# KiCad board VCU_CM5.kicad_pcb
title: VCU_CM5; date: 2026-02-28; rev: 1.3; company: NTURacing Team; note: Jack Kuo, Jerrymk, ML Tsou; note: Electrical group
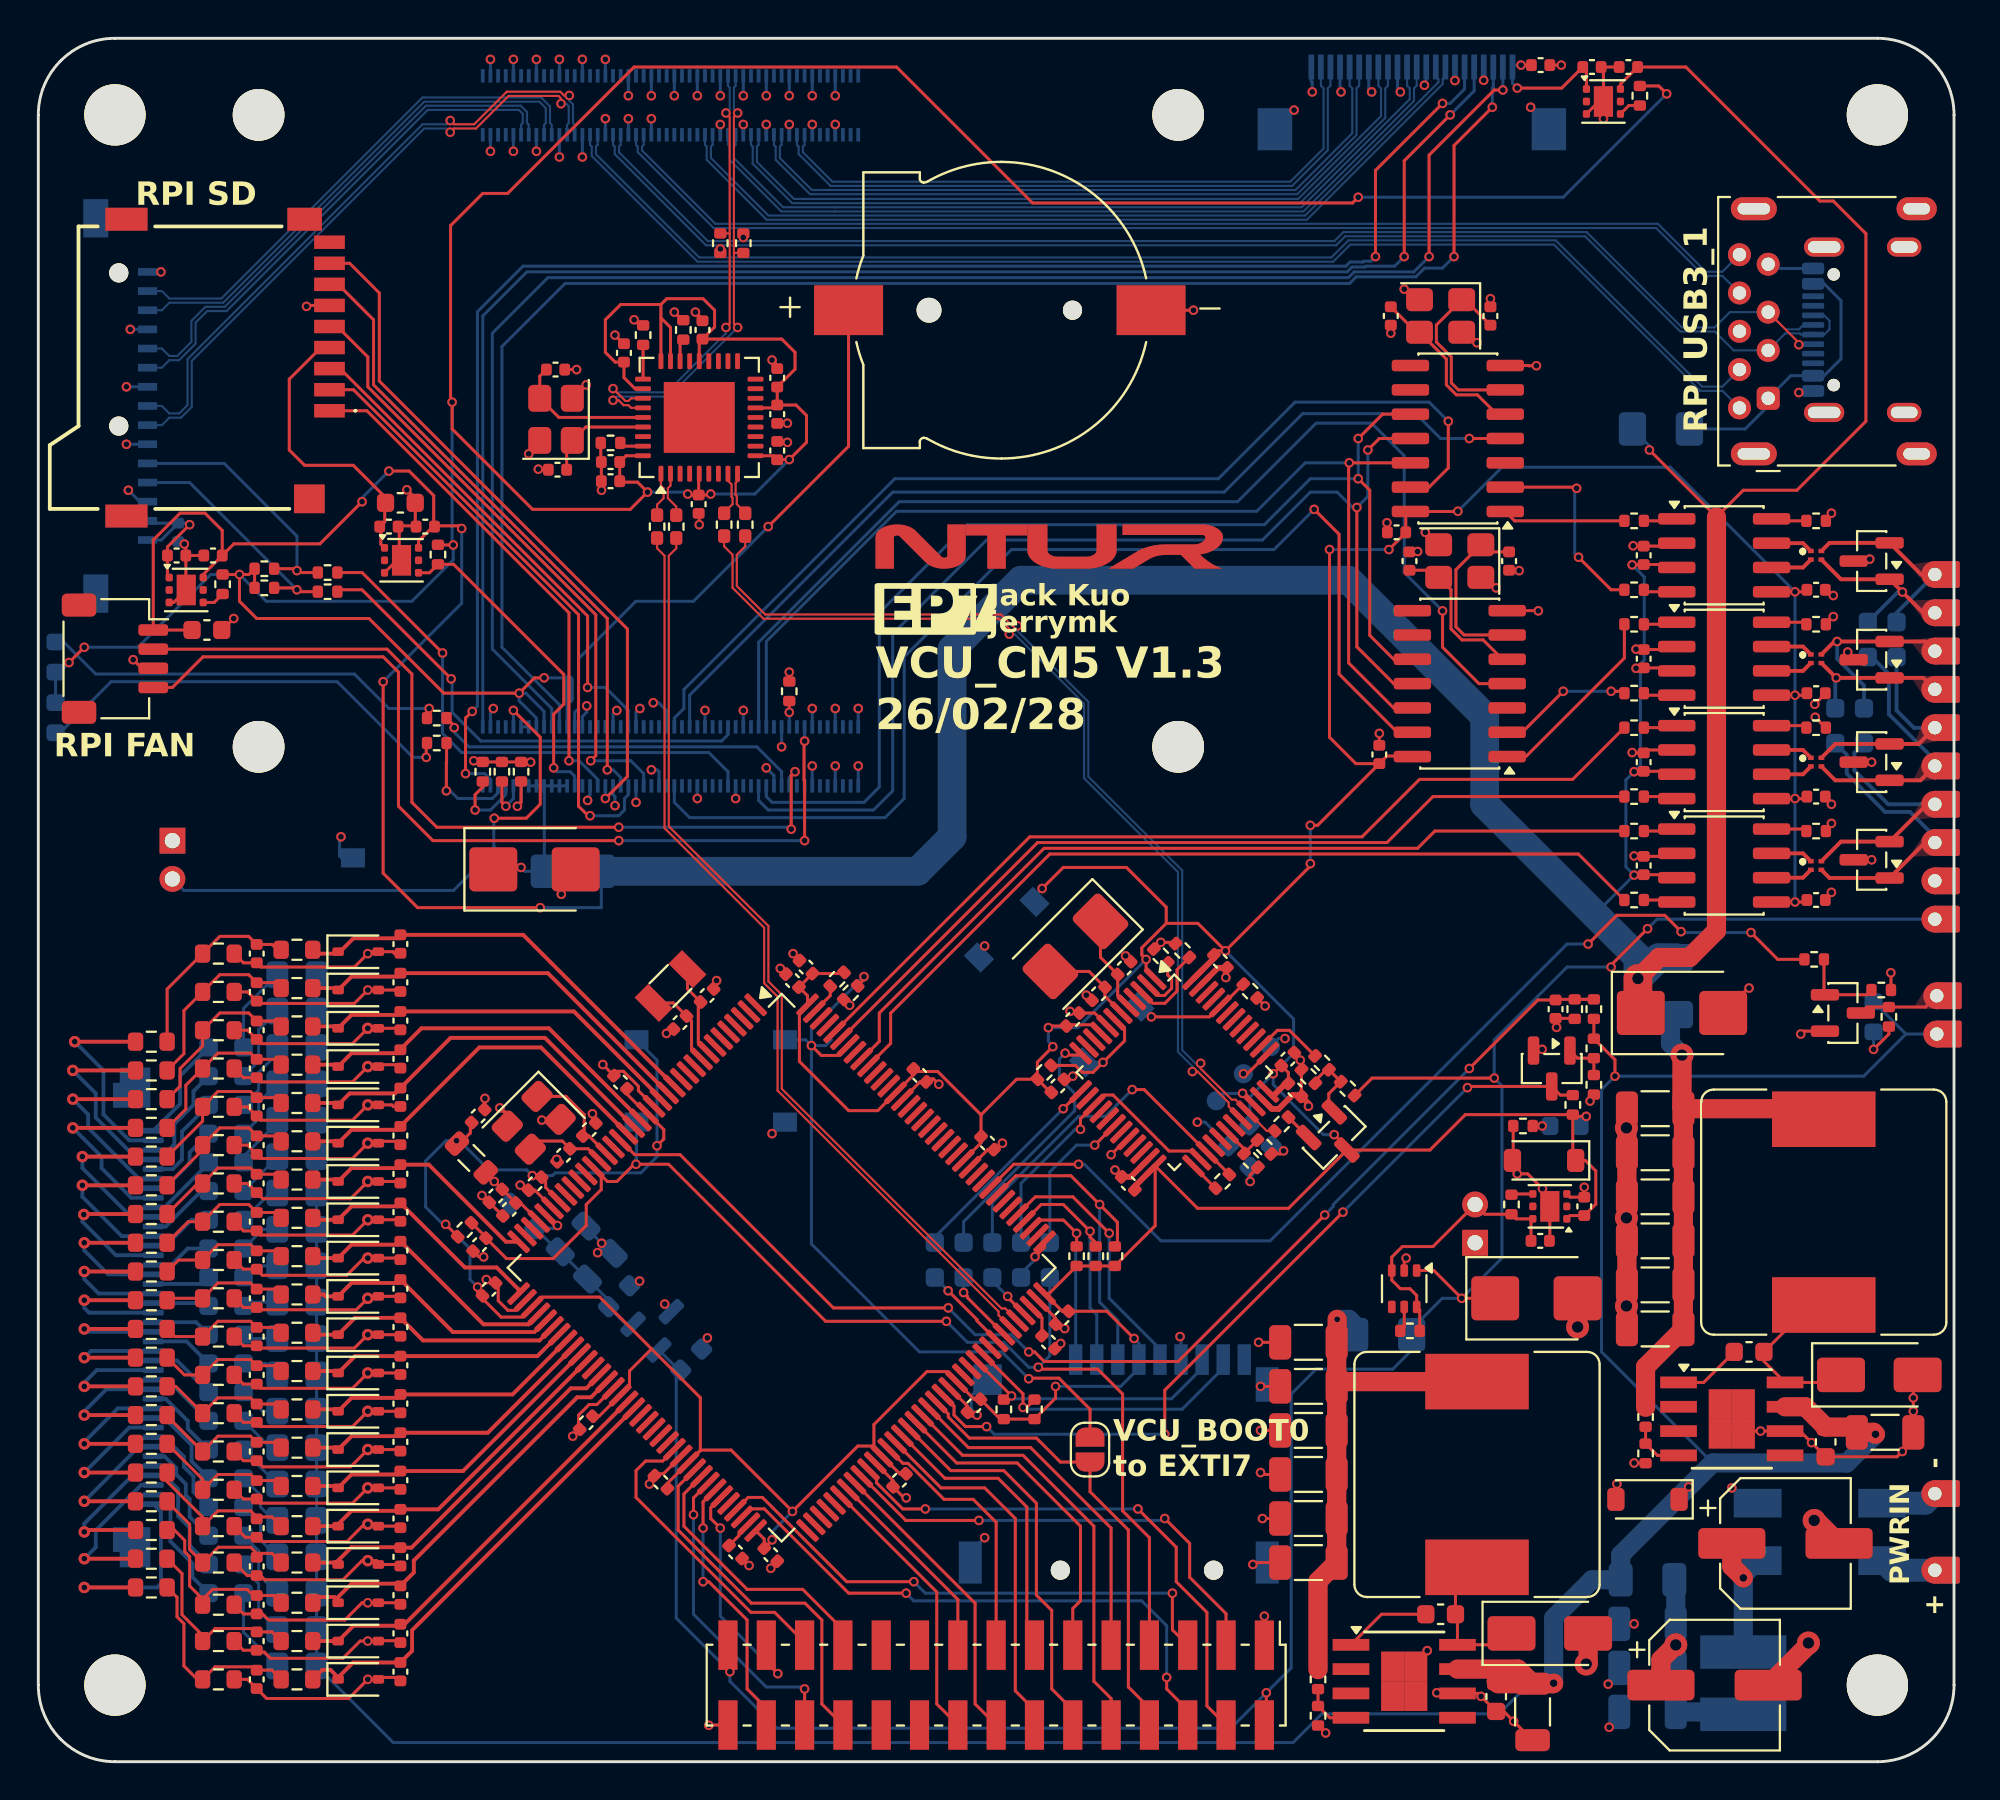
[diagram p0: board, top side]
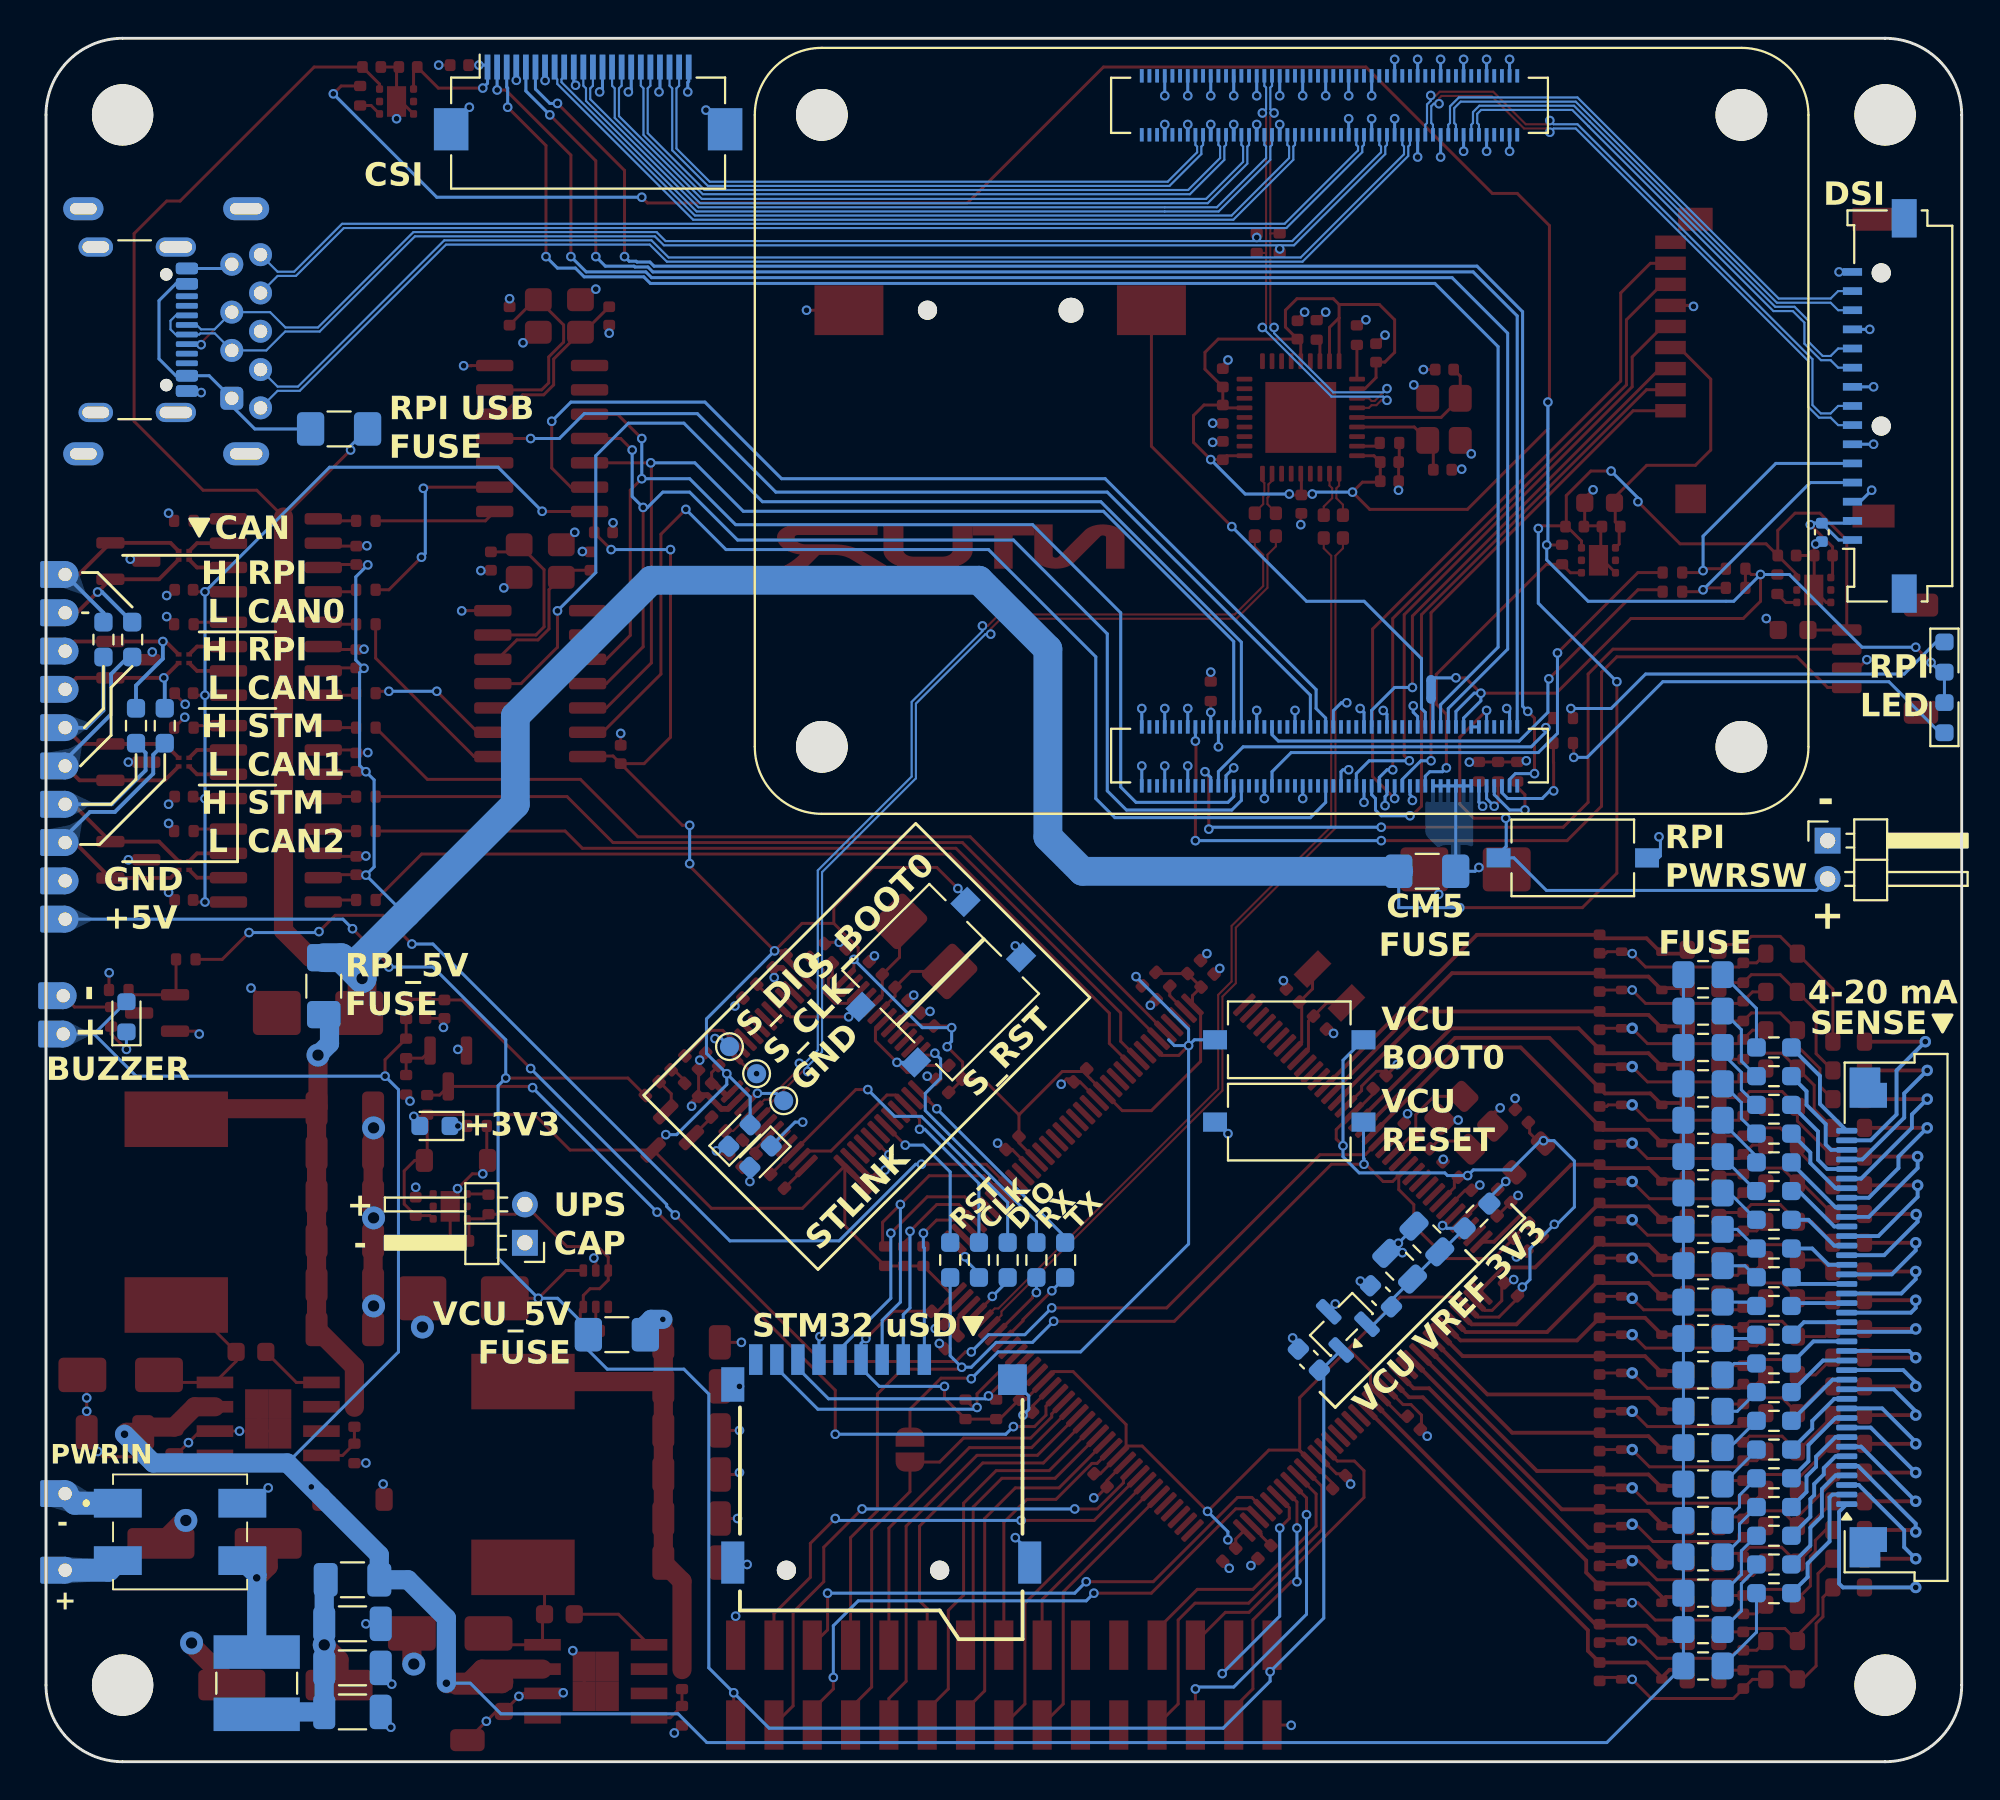
[diagram p1: board, bottom side, seen from below]

Outline 100 x 90 mm; copper layers: Top, In1.Cu, In2.Cu, Bottom. Coordinates in mm from the lower left corner of the outline.
Outline path: 0,86 arc(1.17,88.83) 4,90 96,90 arc(98.83,88.83) 100,86 100,4 arc(98.83,1.17) 96,0 4,0 arc(1.17,1.17) 0,4 0,86
Stack: Top 0.035mm / dielectric 0.1mm FR4 er 4.5 / In1.Cu 0.0152mm / dielectric 1.2858mm FR4 er 4.5 / In2.Cu 0.0152mm / dielectric 0.1mm FR4 er 4.5 / Bottom 0.035mm

## Placement (name value [footprint] x y rotation side)
BT1  1056  [BAT_1056]  50.47 75.8 0 top
C1  220u 35V  [CP_Elec_6.3x5.2]  91.2 11.4 0 top
C2  10u 35V  [C_1206_3216Metric]  84 7.2 180 bottom
C3  10u 35V  [C_1206_3216Metric]  84 4.9 180 bottom
C4  10u 35V  [C_1206_3216Metric]  84 2.6 180 bottom
C5  220u 35V  [CP_Elec_6.3x5.2]  87.5 4 0 top
C6  1u  [C_0402_1005Metric]  79.2 39.3 270 top
C7  1u  [C_0402_1005Metric]  78.4 27.2 0 top
C8  1u  [C_0402_1005Metric]  80.7 29 90 top
C9  10u 50V  [C_1206_3216Metric]  96.4 17.2 0 top
C10  0u1  [C_0603_1608Metric]  93.3 16.7 90 top
C11  10n  [C_0603_1608Metric]  89.3 21.4 0 top
C12  47u 10V  [C_1206_3216Metric]  84.4 27.2 180 top
C13  47u 10V  [C_1206_3216Metric]  84.4 29.5 180 top
C14  47u 10V  [C_1206_3216Metric]  84.4 31.8 180 top
C15  47u 10V  [C_1206_3216Metric]  84.4 24.9 180 top
C16  47u 10V  [C_1206_3216Metric]  84.4 22.6 180 top
C17  47u 10V  [C_1206_3216Metric]  84.4 34.1 180 top
C18  0u1  [C_0402_1005Metric]  83.8 46.8 90 top
C19  0u1  [C_0402_1005Metric]  92.8 45 0 top
C20  1u  [C_0402_1005Metric]  11.4 12.2 270 top
C21  10u  [C_0402_1005Metric]  18.9 12.7 270 top
C22  1u  [C_0402_1005Metric]  11.4 10.2 270 top
C23  10u  [C_0402_1005Metric]  18.9 10.7 270 top
C24  1u  [C_0402_1005Metric]  11.4 8.2 270 top
C25  10u  [C_0402_1005Metric]  18.9 8.7 270 top
C26  1u  [C_0402_1005Metric]  11.4 6.3 270 top
C27  10u  [C_0402_1005Metric]  18.9 6.7 270 top
C28  1u  [C_0402_1005Metric]  11.4 4.3 270 top
C29  10u  [C_0402_1005Metric]  18.9 4.7 270 top
C30  1u  [C_0402_1005Metric]  11.4 42.2 270 top
C31  10u  [C_0402_1005Metric]  18.9 42.7 270 top
C32  30p  [C_0402_1005Metric]  56.68 41.44 45 top
C33  30p  [C_0402_1005Metric]  55.34 40.1 225 top
C34  10u 6V  [C_0402_1005Metric]  53.22 35.29 45 top
C35  10u 6V  [C_0402_1005Metric]  65.23 36.69 45 top
C36  100n  [C_0402_1005Metric]  61.7 41.8 315 top
C37  100n  [C_0402_1005Metric]  65.59 35.08 315 top
C38  100n  [C_0402_1005Metric]  56.9 30.2 135 top
C39  100n  [C_0402_1005Metric]  54 38.76 45 top
C40  1u  [C_0402_1005Metric]  78.42 88.6 0 top
C41  10u  [C_0603_1608Metric]  8.8 59.1 0 top
C42  1u  [C_0402_1005Metric]  7.3 64.2 270 bottom
C43  1u  [C_0402_1005Metric]  20.2 64.5 180 top
C44  1u  [C_0402_1005Metric]  83 88.5 180 top
C45  1u  [C_0402_1005Metric]  9.12 62.99 180 top
C46  1u  [C_0402_1005Metric]  18.3 64.5 0 top
C47  1u  [C_0402_1005Metric]  81.1 88.5 0 top
C48  1u  [C_0402_1005Metric]  7.22 62.99 0 top
C49  10u  [C_0603_1608Metric]  18.9 65.74 0 top
C50  30p  [C_0402_1005Metric]  70.6 75.5 270 top
C51  30p  [C_0402_1005Metric]  71.57 62.7 90 top
C52  30p  [C_0402_1005Metric]  75.8 75.5 90 top
C53  30p  [C_0402_1005Metric]  76.77 62.7 270 top
C54  100n  [C_0402_1005Metric]  70.9 64.2 0 top
C55  100n  [C_0402_1005Metric]  70 52.6 270 top
C56  1u  [C_0402_1005Metric]  11.4 40.2 270 top
C57  10u  [C_0402_1005Metric]  18.9 40.7 270 top
C58  1u  [C_0402_1005Metric]  11.4 38.2 270 top
C59  10u  [C_0402_1005Metric]  18.9 38.7 270 top
C60  1u  [C_0402_1005Metric]  11.4 36.2 270 top
C61  10u  [C_0402_1005Metric]  18.9 36.7 270 top
C62  1u  [C_0402_1005Metric]  11.4 34.2 270 top
C63  10u  [C_0402_1005Metric]  18.9 34.7 270 top
C64  1u  [C_0402_1005Metric]  11.4 32.2 270 top
C65  10u  [C_0402_1005Metric]  18.9 32.7 270 top
C66  1u  [C_0402_1005Metric]  11.4 30.2 270 top
C67  10u  [C_0402_1005Metric]  18.9 30.7 270 top
C68  1u  [C_0402_1005Metric]  11.4 28.2 270 top
C69  10u  [C_0402_1005Metric]  18.9 28.7 270 top
C70  1u  [C_0402_1005Metric]  11.4 26.2 270 top
C71  10u  [C_0402_1005Metric]  18.9 26.7 270 top
C72  1u  [C_0402_1005Metric]  11.4 24.2 270 top
C73  10u  [C_0402_1005Metric]  18.9 24.7 270 top
C74  1u  [C_0402_1005Metric]  11.4 22.2 270 top
C75  10u  [C_0402_1005Metric]  18.9 22.7 270 top
C76  1u  [C_0402_1005Metric]  11.4 20.2 270 top
C77  10u  [C_0402_1005Metric]  18.9 20.7 270 top
C78  1u  [C_0402_1005Metric]  11.4 18.2 270 top
C79  10u  [C_0402_1005Metric]  18.9 18.7 270 top
C80  1u  [C_0402_1005Metric]  11.4 16.2 270 top
C81  10u  [C_0402_1005Metric]  18.9 16.7 270 top
C82  470n  [C_0603_1608Metric]  34.08 21 45 bottom  (not fitted)
C83  470n  [C_0603_1608Metric]  30.31 24.31 45 bottom  (not fitted)
C84  22u  [C_0805_2012Metric]  29.34 25.88 45 bottom  (not fitted)
C85  22u  [C_0805_2012Metric]  27.92 27.3 45 bottom  (not fitted)
C86  100n  [C_0402_1005Metric]  23.03 27 225 top
C87  2u2  [C_0402_1005Metric]  36.4 10.95 315 top
C88  100n  [C_0402_1005Metric]  48.84 18.59 225 top
C89  100n  [C_0402_1005Metric]  44.95 14.7 225 top
C90  2u2  [C_0402_1005Metric]  52.73 21.91 315 top
C91  100n  [C_0402_1005Metric]  49.55 32.31 315 top
C92  100n  [C_0402_1005Metric]  53.44 23.18 225 top
C93  100n  [C_0402_1005Metric]  30.39 35.49 135 top
C94  100n  [C_0402_1005Metric]  23.53 24.67 45 top
C95  100n  [C_0402_1005Metric]  28.6 17.7 225 top
C96  100n  [C_0402_1005Metric]  32.5 14.6 135 top
C97  100n  [C_0402_1005Metric]  38.23 10.81 315 top
C98  100n  [C_0402_1005Metric]  46.01 35.84 315 top
C99  100n  [C_0402_1005Metric]  39.37 40.79 135 top
C100  100n  [C_0402_1005Metric]  25.93 30.18 225 top
C101  4u7  [C_0402_1005Metric]  40.07 41.5 135 top
C102  0u1  [C_0402_1005Metric]  24.59 28.84 225 top
C103  10u 6V  [C_0402_1005Metric]  23.88 29.55 225 top
C104  10u 6V  [C_0402_1005Metric]  22.96 33.72 45 top
C105  33p  [C_0402_1005Metric]  28.76 33.01 45 top
C106  33p  [C_0402_1005Metric]  27.42 31.67 225 top
C107  15p  [C_0402_1005Metric]  34.91 40.01 45 top
C108  15p  [C_0402_1005Metric]  33.5 38.6 225 top
C109  1u  [C_0402_1005Metric]  11.4 14.2 270 top
C110  10u  [C_0402_1005Metric]  18.9 14.7 270 top
C111  10u 50V  [C_1206_3216Metric]  78 2.6 270 top
C112  0u1  [C_0603_1608Metric]  76.1 3.4 90 top
C113  10n  [C_0603_1608Metric]  73.2 7.7 0 top
C114  47u 10V  [C_1206_3216Metric]  66.3 17.3 180 top
C115  47u 10V  [C_1206_3216Metric]  66.3 19.6 180 top
C116  47u 10V  [C_1206_3216Metric]  66.3 21.9 180 top
C117  47u 10V  [C_1206_3216Metric]  66.3 15 180 top
C118  47u 10V  [C_1206_3216Metric]  66.3 12.7 180 top
C119  47u 10V  [C_1206_3216Metric]  66.3 10.4 180 top
C120  0u1  [C_0402_1005Metric]  83.8 57.6 90 top
C121  0u1  [C_0402_1005Metric]  92.8 55.8 0 top
C122  Xp  [C_0402_1005Metric]  27.1 67.47 180 top
C123  Xp  [C_0402_1005Metric]  27 72.7 0 top
C124  100n  [C_0402_1005Metric]  30.57 73.57 90 top
C125  100n  [C_0402_1005Metric]  38.57 68.47 90 top
C126  100n  [C_0402_1005Metric]  34.47 65.67 270 top
C127  100n  [C_0402_1005Metric]  29.87 67.87 180 top
C128  100n  [C_0402_1005Metric]  38.57 70.37 270 top
C129  100n  [C_0402_1005Metric]  34.67 74.77 90 top
C130  4u7  [C_0402_1005Metric]  29.87 66.87 180 top
C131  4u7  [C_0402_1005Metric]  38.57 72.27 90 top
C136  0u1  [C_0402_1005Metric]  83.8 63 90 top
C137  0u1  [C_0402_1005Metric]  92.8 61.2 0 top
C143  0u1  [C_0402_1005Metric]  83.8 52.2 90 top
C144  0u1  [C_0402_1005Metric]  92.8 50.4 0 top
D1  zener 27V (BZT52C27)  [D_SOD-123]  84 13.7 180 top
D2  WHITE  [LED_0603_1608Metric]  79.7 33.2 0 bottom
D3  zener 3.6V  [D_SOD-123]  78.6 31.4 180 top
D4  SS54  [D_SMA]  96.1 20.2 0 top
D5  SMBJ5.0A  [D_SMB]  85.8 39.1 0 top
D6  NUP2105L  [SOT-23]  95.7 47.1 180 top
D7  zener 3.6V  [D_SOD-323]  16.7 12.3 0 top
D8  zener 3.6V  [D_SOD-323]  16.7 10.3 0 top
D9  zener 3.6V  [D_SOD-323]  16.7 8.3 0 top
D10  zener 3.6V  [D_SOD-323]  16.7 6.3 0 top
D11  zener 3.6V  [D_SOD-323]  16.7 4.3 0 top
D12  zener 3.6V  [D_SOD-323]  16.7 42.3 0 top
D13  GREEN led  [LED_0603_1608Metric]  63.8 32.7 135 bottom
D14  RED led  [LED_0603_1608Metric]  62.7 31.6 315 bottom
D15  GREEN_LED  [LED_0603_1608Metric]  0.9 54.52 90 bottom
D16  RED_LED  [LED_0603_1608Metric]  0.9 57.69 270 bottom
D17  SMBJ5.0A  [D_SMB]  25.9 46.6 0 top
D18  zener 3.6V  [D_SOD-323]  16.7 40.3 0 top
D19  zener 3.6V  [D_SOD-323]  16.7 38.3 0 top
D20  zener 3.6V  [D_SOD-323]  16.7 36.3 0 top
D21  zener 3.6V  [D_SOD-323]  16.7 34.3 0 top
D22  zener 3.6V  [D_SOD-323]  16.7 32.3 0 top
D23  zener 3.6V  [D_SOD-323]  16.7 30.3 0 top
D24  zener 3.6V  [D_SOD-323]  16.7 28.3 0 top
D25  zener 3.6V  [D_SOD-323]  16.7 26.3 0 top
D26  zener 3.6V  [D_SOD-323]  16.7 24.3 0 top
D27  zener 3.6V  [D_SOD-323]  16.7 22.3 0 top
D28  zener 3.6V  [D_SOD-323]  16.7 20.3 0 top
D29  zener 3.6V  [D_SOD-323]  16.7 18.3 0 top
D30  zener 3.6V  [D_SOD-323]  16.7 16.3 0 top
D31  zener 3.6V  [D_SOD-323]  16.7 14.3 0 top
D32  WHITE LED  [LED_0603_1608Metric]  95.8 38.9 90 bottom
D33  SS54  [D_SMA]  78.9 6.7 0 top
D34  SMBJ5.0A  [D_SMB]  78.2 24.2 0 top
D35  NUP2105L  [SOT-23]  95.7 57.55 180 top
D36  NUP2105L  [SOT-23]  95.7 62.7 180 top
D38  NUP2105L  [SOT-23]  95.7 52.2 180 top
F1  0.5A  [Fuse_1206_3216Metric_Pad1.42x1.75mm_HandSolder]  84.7 69.6 0 bottom
F2  0.5A  [Fuse_1206_3216Metric]  84 9.5 180 bottom
F3  3A  [Fuse_1206_3216Metric_Pad1.42x1.75mm_HandSolder]  85.5 40.5 90 bottom
F4  RPI_FUSE_5A  [Fuse_1206_3216Metric_Pad1.42x1.75mm_HandSolder]  27.9 46.5 180 bottom
F5  30mA  [Fuse_0805_2012Metric_Pad1.15x1.40mm_HandSolder]  13.5 41.1 180 bottom
F6  30mA  [Fuse_0805_2012Metric_Pad1.15x1.40mm_HandSolder]  13.5 39.2 180 bottom
F7  30mA  [Fuse_0805_2012Metric_Pad1.15x1.40mm_HandSolder]  13.5 29.7 180 bottom
F8  30mA  [Fuse_0805_2012Metric_Pad1.15x1.40mm_HandSolder]  13.5 27.8 180 bottom
F9  30mA  [Fuse_0805_2012Metric_Pad1.15x1.40mm_HandSolder]  13.5 25.9 180 bottom
F10  30mA  [Fuse_0805_2012Metric_Pad1.15x1.40mm_HandSolder]  13.5 24 180 bottom
F11  30mA  [Fuse_0805_2012Metric_Pad1.15x1.40mm_HandSolder]  13.5 22.1 180 bottom
F12  30mA  [Fuse_0805_2012Metric_Pad1.15x1.40mm_HandSolder]  13.5 20.2 180 bottom
F13  30mA  [Fuse_0805_2012Metric_Pad1.15x1.40mm_HandSolder]  13.5 18.3 180 bottom
F14  30mA  [Fuse_0805_2012Metric_Pad1.15x1.40mm_HandSolder]  13.5 16.4 180 bottom
F15  30mA  [Fuse_0805_2012Metric_Pad1.15x1.40mm_HandSolder]  13.5 14.5 180 bottom
F16  30mA  [Fuse_0805_2012Metric_Pad1.15x1.40mm_HandSolder]  13.5 12.6 180 bottom
F17  30mA  [Fuse_0805_2012Metric_Pad1.15x1.40mm_HandSolder]  13.5 10.7 180 bottom
F18  30mA  [Fuse_0805_2012Metric_Pad1.15x1.40mm_HandSolder]  13.5 8.8 180 bottom
F19  30mA  [Fuse_0805_2012Metric_Pad1.15x1.40mm_HandSolder]  13.5 6.9 180 bottom
F20  30mA  [Fuse_0805_2012Metric_Pad1.15x1.40mm_HandSolder]  13.5 5 180 bottom
F21  30mA  [Fuse_0805_2012Metric_Pad1.15x1.40mm_HandSolder]  13.5 37.3 180 bottom
F22  30mA  [Fuse_0805_2012Metric_Pad1.15x1.40mm_HandSolder]  13.5 35.4 180 bottom
F23  30mA  [Fuse_0805_2012Metric_Pad1.15x1.40mm_HandSolder]  13.5 33.5 180 bottom
F24  30mA  [Fuse_0805_2012Metric_Pad1.15x1.40mm_HandSolder]  13.5 31.6 180 bottom
F25  3A  [Fuse_1206_3216Metric_Pad1.42x1.75mm_HandSolder]  70.2 22.3 0 bottom
FB1  SDFL2012Q1R0KTF 0805  [L_0805_2012Metric]  22.61 31.53 315 top
FL1  ACM70V-701-2PL-TL00  [Common_Mode_Choke_4A_ACM70V7012PLTL00]  93 12 180 bottom
FL2  EXC14CE121U  [EXCX4CE900U]  92.8 46.8 270 top
FL3  EXC14CE121U  [EXCX4CE900U]  92.8 57.6 270 top
FL4  EXC14CE121U  [EXCX4CE900U]  92.8 63 270 top
FL5  EXC14CE121U  [EXCX4CE900U]  92.8 52.2 270 top
H1  MountingHole  [MountingHole_3.2mm_M3]  4 86 0 top
H2  MountingHole  [MountingHole_3.2mm_M3]  4 4 0 top
H3  MountingHole  [MountingHole_3.2mm_M3]  96 4 0 top
H4  MountingHole  [MountingHole_3.2mm_M3]  96 86 0 top
J1  USB3_A  [USB3_A_Molex_48393-001]  90.3 71.2 90 top
J2  UPS_CAP  [PinHeader_1x02_P2.00mm_Horizontal]  75 27.1 0 bottom
J3  RPI_RST  [PinHeader_1x02_P2.00mm_Horizontal]  7 48.1 180 bottom
J4  JST_SH  [JST_SH_SM04B-SRSS-TB_1x04-1MP_P1.00mm_Horizontal]  4 57.6 270 top
J5  MIPI_CAM_22P  [Hirose_FH12-22S-0.5SH_1x22-1MP_P0.50mm_Horizontal]  71.7 86.65 180 bottom
J6  MIPI_DISP_15P  [Molex_200528-0150_1x15-1MP_P1.00mm_Horizontal]  4.79 70.8 90 bottom
J7  MSD-4-A  [MSD4A]  8.3 72.8 270 top
J8  Conn_01x30_Socket  [Amphenol_F32Q-1A7x1-11040_1x40-1MP_P0.5mm_Horizontal]  3.1 23.2 90 bottom
J9  Conn_02x15_Odd_Even  [PinHeader_2x15_P2.00mm_Vertical_SMD]  50 4 270 top
J10  MSD-4-A  [MSD4A]  56.4 14.1 180 bottom
J24  USB_C_stm32  [USB_C_Receptacle_GCT_USB4105-xx-A_16P_TopMnt_Horizontal]  96.32 74.78 270 bottom  (not fitted)
JP1  boot0 to BUT2  [SolderJumper-2_P1.3mm_Open_RoundedPad1.0x1.5mm]  54.9 16.3 90 top
L1  7A 220nH NBMC0420HN-R22M  [L_Ferrocore_DLG-0403]  89 4.1 270 bottom
L2  22uH 3.7A (SMDRI129-220MT)  [L_Bourns_SRR1260]  93.2 28.7 90 top
L3  22uH 3.7A (SMDRI129-220MT)  [L_Bourns_SRR1260]  75.1 15 90 top
Module1  ComputeModule5-CM5  [Raspberry-Pi-5-Compute-Module]  11.5 53 90 bottom
NT1  NetTie  [NetTie-2_SMD_Pad0.5mm]  27.7 56 270 bottom
Q1  AO3400A  [SOT-23]  79 36.2 270 top
Q2  MMBT3904  [SOT-23]  67.64 32.61 315 top
Q3  2N7002  [SOT-23]  94.2 39.1 0 top
R1  0R  [R_0603_1608Metric_Pad0.98x0.95mm_HandSolder]  97 58.6 90 bottom
R2  0R  [R_0603_1608Metric_Pad0.98x0.95mm_HandSolder]  95.5 58.6 90 bottom
R3  0R  [R_0603_1608Metric_Pad0.98x0.95mm_HandSolder]  95.3 54.1 90 bottom
R4  0R  [R_0603_1608Metric_Pad0.98x0.95mm_HandSolder]  93.8 54.1 90 bottom
R5  15k  [R_0402_1005Metric]  81.2 37.25 270 top
R6  1k  [R_0402_1005Metric]  81.2 35.35 270 top
R7  10k  [R_0402_1005Metric]  80.1 34.3 90 top
R8  10k  [R_0402_1005Metric]  71.6 22.5 180 top
R9  49k9  [R_0402_1005Metric]  81.2 39.3 90 top
R10  5k6  [R_0402_1005Metric]  80.2 39.3 270 top
R11  100k  [R_0402_1005Metric]  76.9 29.1 90 top
R12  100k  [R_0402_1005Metric]  77.5 33.2 0 top
R13  47k 1%  [R_0402_1005Metric]  83.9 18 270 top
R14  15k 1%  [R_0402_1005Metric]  83.9 16.1 270 top
R15  22R  [R_0402_1005Metric]  83.3 48.6 0 top
R16  22R  [R_0402_1005Metric]  83.3 45 0 top
R17  10k  [R_0402_1005Metric]  92.8 48.6 0 top
R18  150R 1%  [R_0603_1608Metric]  9.4 12.3 0 top
R19  100R  [R_0603_1608Metric]  13.5 12.3 0 top
R20  150R 1%  [R_0603_1608Metric]  9.4 10.4 0 top
R21  100R  [R_0603_1608Metric]  13.5 10.4 0 top
R22  150R 1%  [R_0603_1608Metric]  9.4 8.2 0 top
R23  100R  [R_0603_1608Metric]  13.5 8.3 0 top
R24  150R 1%  [R_0603_1608Metric]  9.4 6.3 0 top
R25  100R  [R_0603_1608Metric]  13.5 6.3 0 top
R26  150R 1%  [R_0603_1608Metric]  9.4 4.3 0 top
R27  100R  [R_0603_1608Metric]  13.5 4.3 0 top
R28  150R 1%  [R_0603_1608Metric]  9.4 42.2 0 top
R29  100R  [R_0603_1608Metric]  13.5 42.4 0 top
R30  10k  [R_0402_1005Metric]  58.59 42.08 135 top
R31  10k  [R_0402_1005Metric]  59.72 42.36 135 top
R32  100k  [R_0402_1005Metric]  63.26 40.24 315 top
R33  100R  [R_0402_1005Metric]  61.81 30.31 225 top
R34  10k  [R_0402_1005Metric]  52.51 36 45 top
R35  220R  [R_0402_1005Metric]  64 32.1 135 top
R36  220R  [R_0402_1005Metric]  63.3 31.4 315 top
R37  100R  [R_0402_1005Metric]  67.01 36.49 315 top
R38  100R  [R_0603_1608Metric_Pad0.98x0.95mm_HandSolder]  48.3 26.2 270 bottom
R39  100R  [R_0603_1608Metric_Pad0.98x0.95mm_HandSolder]  46.8 26.2 270 bottom
R40  100R  [R_0603_1608Metric_Pad0.98x0.95mm_HandSolder]  51.3 26.2 270 bottom
R41  100R  [R_0603_1608Metric_Pad0.98x0.95mm_HandSolder]  49.8 26.2 270 bottom
R42  100R  [R_0603_1608Metric_Pad0.98x0.95mm_HandSolder]  52.8 26.2 270 bottom
R43  10k  [R_0402_1005Metric]  68.35 35.15 135 top
R44  33k  [R_0402_1005Metric]  66.3 35.79 135 top
R45  1k5  [R_0402_1005Metric]  64.9 33.3 225 top
R46  100R  [R_0402_1005Metric_Pad0.72x0.64mm_HandSolder]  36.9 64.6 270 top
R47  100R  [R_0402_1005Metric_Pad0.72x0.64mm_HandSolder]  35.8 64.6 90 top
R48  680R  [R_0402_1005Metric]  20.8 53.2 0 top
R49  680R  [R_0402_1005Metric]  20.8 54.5 0 top
R50  0R  [R_0402_1005Metric]  15.1 61.1 0 top
R51  0R  [R_0402_1005Metric]  15.1 62.1 0 top
R52  2k2  [R_0402_1005Metric]  11.8 62.3 180 top
R53  2k2  [R_0402_1005Metric]  11.8 61.3 180 top
R54  100k  [R_0402_1005Metric]  20.86 63.04 270 top
R55  100k  [R_0402_1005Metric]  83.6 87 270 top
R56  100k  [R_0402_1005Metric]  9.62 61.49 270 top
R57  0R  [R_0402_1005Metric]  39.2 55.9 270 top  (not fitted)
R58  0R  [R_0402_1005Metric]  25.2 51.7 90 top  (not fitted)
R59  0R  [R_0402_1005Metric]  24.2 51.7 90 top  (not fitted)
R60  0R  [R_0402_1005Metric]  23.2 51.7 90 top  (not fitted)
R61  75R  [R_0603_1608Metric_Pad0.98x0.95mm_HandSolder]  9.8 37.3 0 bottom
R62  75R  [R_0603_1608Metric_Pad0.98x0.95mm_HandSolder]  9.8 35.8 0 bottom
R63  75R  [R_0603_1608Metric_Pad0.98x0.95mm_HandSolder]  9.8 34.3 0 bottom
R64  75R  [R_0603_1608Metric_Pad0.98x0.95mm_HandSolder]  9.8 32.8 0 bottom
R65  75R  [R_0603_1608Metric_Pad0.98x0.95mm_HandSolder]  9.8 31.3 0 bottom
R66  75R  [R_0603_1608Metric_Pad0.98x0.95mm_HandSolder]  9.8 29.8 0 bottom
R67  75R  [R_0603_1608Metric_Pad0.98x0.95mm_HandSolder]  9.8 28.3 0 bottom
R68  75R  [R_0603_1608Metric_Pad0.98x0.95mm_HandSolder]  9.8 26.8 0 bottom
R69  75R  [R_0603_1608Metric_Pad0.98x0.95mm_HandSolder]  9.8 25.3 0 bottom
R70  75R  [R_0603_1608Metric_Pad0.98x0.95mm_HandSolder]  9.8 23.8 0 bottom
R71  75R  [R_0603_1608Metric_Pad0.98x0.95mm_HandSolder]  9.8 22.3 0 bottom
R72  75R  [R_0603_1608Metric_Pad0.98x0.95mm_HandSolder]  9.8 20.8 0 bottom